# KiCad board dual-camera-to-gmsl-serializer-csi-adapter.kicad_pcb
title: Dual Camera to GMSL Serializer CSI Adapter; date: 2024-12-18; rev: 1.1.0; company: Antmicro Ltd; note: www.antmicro.com
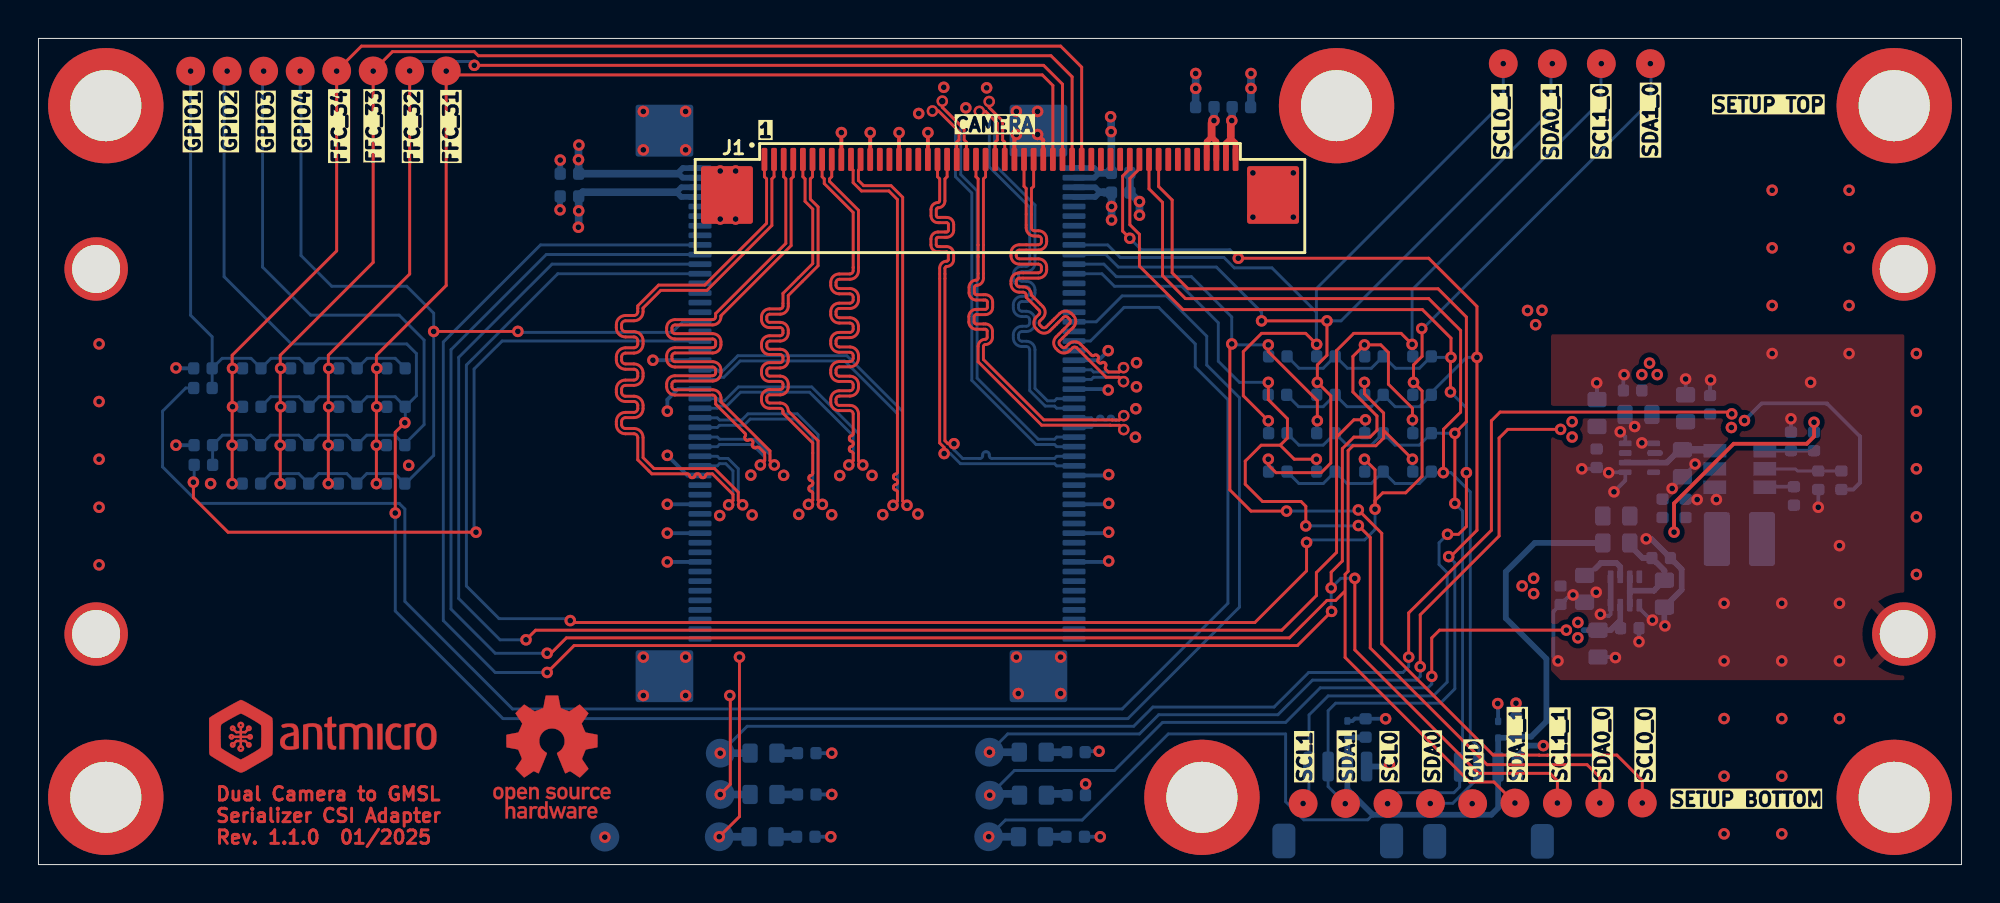
[diagram p0: board, top side]
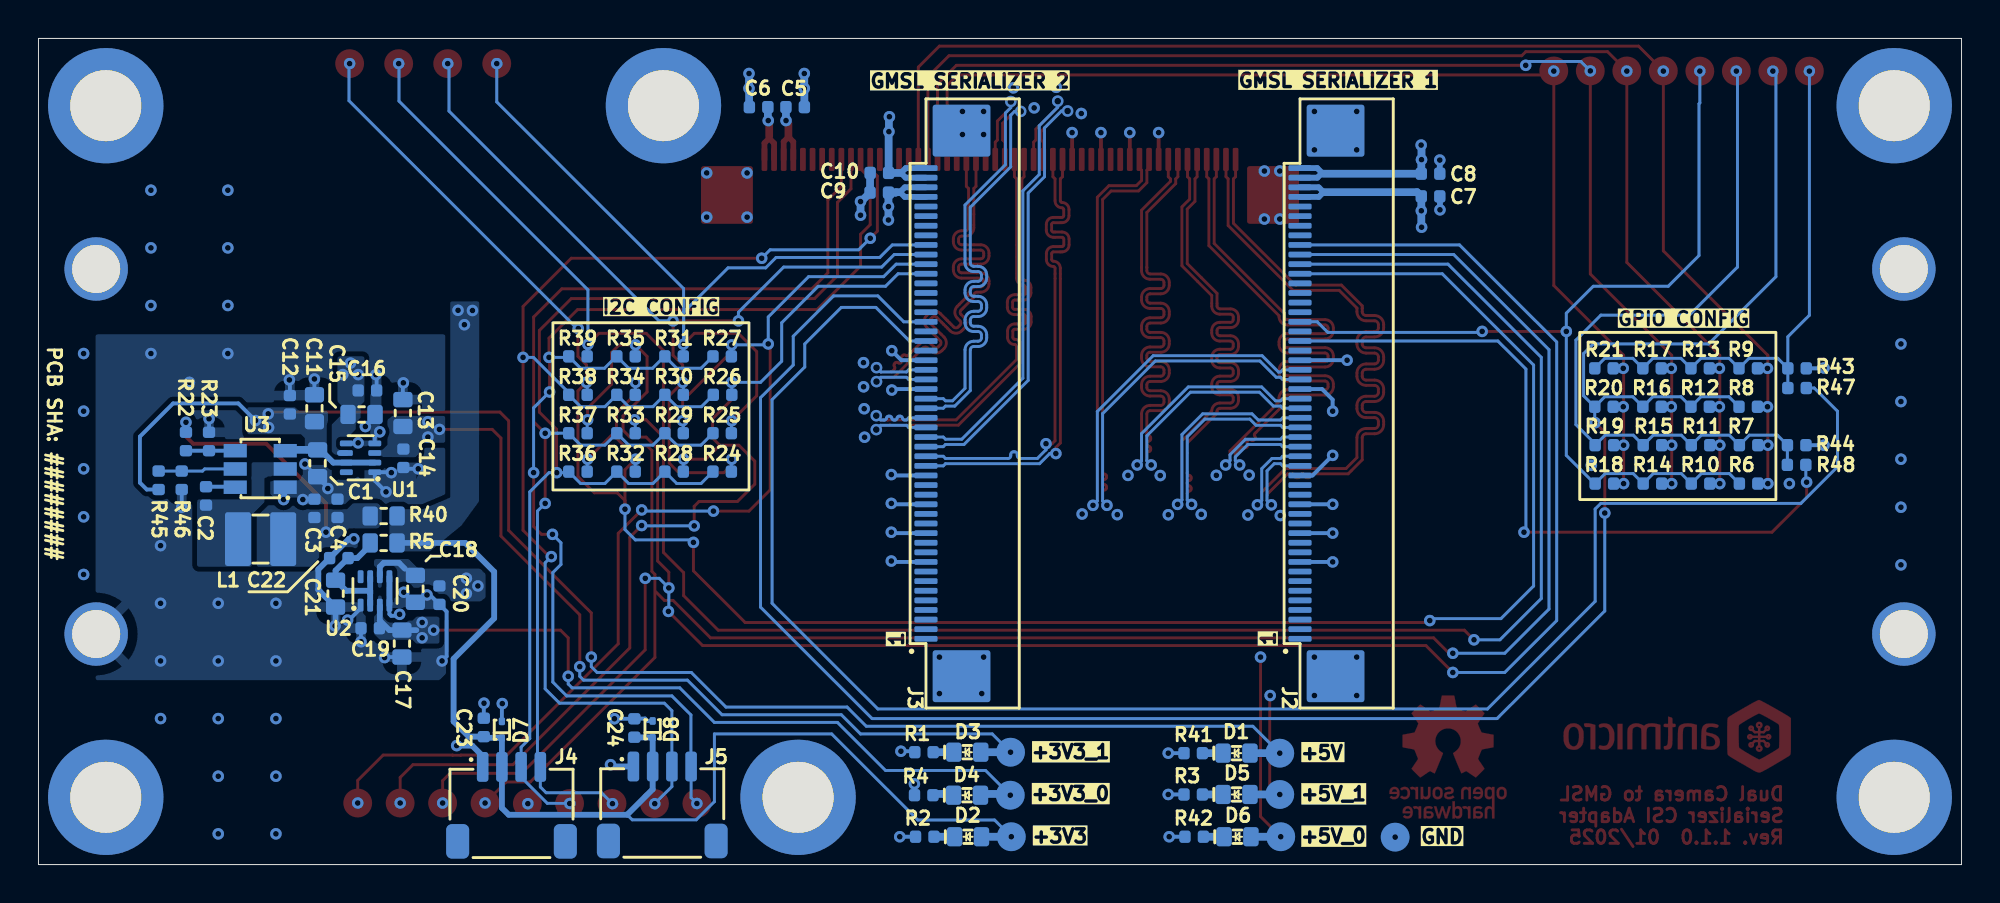
[diagram p1: board, bottom side, seen from below]

Outline 100 x 43 mm; copper layers: Top, In1.Cu, In2.Cu, Bottom. Coordinates in mm from the lower left corner of the outline.
Outline path: 0,43 0,0 100,0 100,43 0,43
Stack: Top 0.018mm / dielectric 0.12mm IS400 PR2116 er 4.06 / In1.Cu 0.035mm / dielectric 1.2mm FR4 er 4.35 / In2.Cu 0.035mm / dielectric 0.12mm IS400 PR2116 er 4.06 / Bottom 0.018mm

## Placement (name value [footprint] x y rotation side)
C1  C_10u_25V_0603  [C_0603_1608Metric]  85.48 20.89 90 bottom
C2  C_220n_0402  [C_0402_1005Metric]  91.29 19.19 270 bottom
C3  C_22u_0402  [C_0402_1005Metric]  85.65 18.54 270 bottom
C4  C_22u_0402  [C_0402_1005Metric]  84.45 18.54 270 bottom
C5  C_100n_0402  [C_0402_1005Metric]  60.65 39.42 0 bottom
C6  C_100n_0402  [C_0402_1005Metric]  62.55 39.42 180 bottom
C7  C_100n_0402  [C_0402_1005Metric]  27.61 34.78 0 bottom
C8  C_100n_0402  [C_0402_1005Metric]  27.61 35.96 0 bottom
C9  C_100n_0402  [C_0402_1005Metric]  56.28 34.97 180 bottom
C10  C_100n_0402  [C_0402_1005Metric]  56.27 36 180 bottom
C11  C_10u_25V_0603  [C_0603_1608Metric]  85.65 23.75 270 bottom
C12  C_100n_0402  [C_0402_1005Metric]  86.92 23.93 270 bottom
C13  C_10u_25V_0603  [C_0603_1608Metric]  81.05 23.5 270 bottom
C14  C_100n_0402  [C_0402_1005Metric]  81.02 21.15 90 bottom
C15  C_10u_25V_0603  [C_0603_1608Metric]  83.2 23.43 0 bottom
C16  C_100n_0402  [C_0402_1005Metric]  82.89 24.68 0 bottom
C17  C_10u_25V_0603  [C_0603_1608Metric]  81.1 11.5 90 bottom
C18  C_10u_25V_0603  [C_0603_1608Metric]  80.4 14.35 90 bottom
C19  C_100n_0402  [C_0402_1005Metric]  82.75 12.3 180 bottom
C20  C_100n_0402  [C_0402_1005Metric]  79.15 14.02 90 bottom
C21  C_10u_25V_0603  [C_0603_1608Metric]  84.55 14.1 90 bottom
C22  C_100n_0402  [C_0402_1005Metric]  84.38 15.95 180 bottom
C23  C_100n_0402  [C_0402_1005Metric]  76.84 7.14 270 bottom
C24  C_100n_0402  [C_0402_1005Metric]  69.01 7.11 270 bottom
D1  LED_G_0603_LTST-C190GKT  [LED_0603_1608Metric_G]  37.7 5.8 180 bottom
D2  LED_G_0603_LTST-C190GKT  [LED_0603_1608Metric_G]  51.66 1.45 180 bottom
D3  LED_G_0603_LTST-C190GKT  [LED_0603_1608Metric_G]  51.7 5.85 180 bottom
D4  LED_G_0603_LTST-C190GKT  [LED_0603_1608Metric_G]  51.71 3.61 180 bottom
D5  LED_G_0603_LTST-C190GKT  [LED_0603_1608Metric_G]  37.7 3.65 180 bottom
D6  LED_G_0603_LTST-C190GKT  [LED_0603_1608Metric_G]  37.65 1.45 180 bottom
D7  ESD9X5.0ST5G  [SOD-923]  75.9 7.02 90 bottom
D8  ESD9X5.0ST5G  [SOD-923]  68.06 7.04 90 bottom
H1  -  [Spacer_Drill3.7mm_H6mm_9774060151R]  96.5 39.5 0 bottom
H2  -  [Spacer_Drill3.7mm_H6mm_9774060151R]  96.5 3.5 0 bottom
H3  -  [Spacer_Drill3.7mm_H6mm_9774060151R]  67.5 39.5 0 bottom
H4  -  [Spacer_Drill3.7mm_H6mm_9774060151R]  60.5 3.5 0 bottom
H5  -  [Spacer_Drill3.7mm_H6mm_9774060151R]  3.5 39.5 180 bottom
H6  -  [Spacer_Drill3.7mm_H6mm_9774060151R]  3.5 3.5 180 bottom
J1  Conn_FFC_WE_68715014022  [Conn_FFC_WE_68715014x22]  50 34.55 0 top
J2  Conn_FFC_WE_68715014022  [Conn_FFC_WE_68715014x22]  32.25 24 90 bottom
J3  Conn_FFC_WE_68715014022  [Conn_FFC_WE_68715014x22]  51.7 24 90 bottom
J4  JST_SH_1x4_SM04B-SRSS-TB-LF-SN  [Conn_JST_SH_1x4_SM04B-SRSS-TB-LF-SN]  75.4 2.96 180 bottom
J5  JST_SH_1x4_SM04B-SRSS-TB-LF-SN  [Conn_JST_SH_1x4_SM04B-SRSS-TB-LF-SN]  67.56 2.98 180 bottom
L1  L_3u3_3.1A_Bourns-SRP3212A  [L_Bourns-SRP3212A]  88.45 16.94 180 bottom
MP1  -  [MP_Pad3.3mm_Drill2.5mm]  97 31 180 bottom
MP2  -  [MP_Pad3.3mm_Drill2.5mm]  97 12 180 bottom
MP3  -  [MP_Pad3.3mm_Drill2.5mm]  3 31 180 bottom
MP4  -  [MP_Pad3.3mm_Drill2.5mm]  3 12 180 bottom
N1  antmicro_logo  [antmicro-logo_scaled_12mm]  14.75 6.65 0 top
N2  oshw_logo  [oshw-logo]  26.7 5.6 0 top
R1  R_470R_0402  [R_0402_1005Metric]  53.95 5.85 180 bottom
R2  R_200R_0402  [R_0402_1005Metric]  53.91 1.45 180 bottom
R3  R_470R_0402  [R_0402_1005Metric]  39.95 3.65 180 bottom
R4  R_200R_0402  [R_0402_1005Metric]  53.96 3.61 180 bottom
R5  R_0R_22.4A_0603  [R_0603_1608Metric]  82.05 16.74 180 bottom  (not fitted)
R6  R_0R_0402  [R_0402_1005Metric]  11.07 19.83 180 bottom
R7  R_0R_0402  [R_0402_1005Metric]  11.07 21.83 180 bottom  (not fitted)
R8  R_0R_0402  [R_0402_1005Metric]  11.09 23.83 180 bottom  (not fitted)
R9  R_0R_0402  [R_0402_1005Metric]  11.09 25.83 180 bottom  (not fitted)
R10  R_0R_0402  [R_0402_1005Metric]  13.57 19.83 180 bottom  (not fitted)
R11  R_0R_0402  [R_0402_1005Metric]  13.57 21.83 180 bottom  (not fitted)
R12  R_0R_0402  [R_0402_1005Metric]  13.59 23.83 180 bottom  (not fitted)
R13  R_0R_0402  [R_0402_1005Metric]  13.59 25.83 180 bottom  (not fitted)
R14  R_0R_0402  [R_0402_1005Metric]  16.07 19.83 180 bottom  (not fitted)
R15  R_0R_0402  [R_0402_1005Metric]  16.07 21.83 180 bottom  (not fitted)
R16  R_0R_0402  [R_0402_1005Metric]  16.09 23.83 180 bottom
R17  R_0R_0402  [R_0402_1005Metric]  16.09 25.83 180 bottom  (not fitted)
R18  R_0R_0402  [R_0402_1005Metric]  18.57 19.83 180 bottom  (not fitted)
R19  R_0R_0402  [R_0402_1005Metric]  18.57 21.83 180 bottom  (not fitted)
R20  R_0R_0402  [R_0402_1005Metric]  18.59 23.83 180 bottom  (not fitted)
R21  R_0R_0402  [R_0402_1005Metric]  18.59 25.83 180 bottom  (not fitted)
R22  R_31k6_0402  [R_0402_1005Metric]  92.33 22.02 90 bottom
R23  R_10k_0402  [R_0402_1005Metric]  91.13 22.02 270 bottom
R24  R_0R_0402  [R_0402_1005Metric]  64.45 20.45 0 bottom  (not fitted)
R25  R_0R_0402  [R_0402_1005Metric]  64.45 22.45 0 bottom  (not fitted)
R26  R_0R_0402  [R_0402_1005Metric]  64.43 24.45 0 bottom  (not fitted)
R27  R_0R_0402  [R_0402_1005Metric]  64.45 26.45 0 bottom  (not fitted)
R28  R_0R_0402  [R_0402_1005Metric]  66.95 20.45 0 bottom
R29  R_0R_0402  [R_0402_1005Metric]  66.95 22.45 0 bottom
R30  R_0R_0402  [R_0402_1005Metric]  66.95 24.45 0 bottom  (not fitted)
R31  R_0R_0402  [R_0402_1005Metric]  66.95 26.45 0 bottom  (not fitted)
R32  R_0R_0402  [R_0402_1005Metric]  69.45 20.45 0 bottom  (not fitted)
R33  R_0R_0402  [R_0402_1005Metric]  69.45 22.45 0 bottom  (not fitted)
R34  R_0R_0402  [R_0402_1005Metric]  69.45 24.45 0 bottom  (not fitted)
R35  R_0R_0402  [R_0402_1005Metric]  69.45 26.45 0 bottom  (not fitted)
R36  R_0R_0402  [R_0402_1005Metric]  71.95 20.45 0 bottom  (not fitted)
R37  R_0R_0402  [R_0402_1005Metric]  71.95 22.45 0 bottom  (not fitted)
R38  R_0R_0402  [R_0402_1005Metric]  71.95 24.45 0 bottom
R39  R_0R_0402  [R_0402_1005Metric]  71.95 26.45 0 bottom
R40  R_0R_22.4A_0603  [R_0603_1608Metric]  82.05 18.14 180 bottom
R41  R_470R_0402  [R_0402_1005Metric]  39.95 5.8 180 bottom
R42  R_200R_0402  [R_0402_1005Metric]  39.9 1.45 180 bottom
R43  R_12k_0402  [R_0402_1005Metric]  8.55 25.83 0 bottom
R44  R_12k_0402  [R_0402_1005Metric]  8.57 21.83 0 bottom
R45  R_0R_0402  [R_0402_1005Metric]  93.75 20 270 bottom
R46  R_0R_0402  [R_0402_1005Metric]  92.55 20 270 bottom  (not fitted)
R47  R_10k_0402  [R_0402_1005Metric]  8.55 24.8 180 bottom
R48  R_10k_0402  [R_0402_1005Metric]  8.58 20.8 180 bottom
TP1  TP_1.5mm_SMD  [TP_SMD_1.5mm]  15.51 41.31 0 top
TP2  TP_1.5mm_SMD  [TP_SMD_1.5mm]  17.4 41.31 0 top
TP3  TP_1.5mm_SMD  [TP_SMD_1.5mm]  19.3 41.31 0 top
TP4  TP_1.5mm_SMD  [TP_SMD_1.5mm]  21.2 41.31 0 top
TP5  TP_1.5mm_SMD  [TP_SMD_1.5mm]  13.61 41.3 270 top
TP6  TP_1.5mm_SMD  [TP_SMD_1.5mm]  11.71 41.3 270 top
TP7  TP_1.5mm_SMD  [TP_SMD_1.5mm]  9.81 41.3 270 top
TP8  TP_1.5mm_SMD  [TP_SMD_1.5mm]  7.91 41.3 270 top
TP9  TP_1.5mm_SMD  [TP_SMD_1.5mm]  72.38 3.18 270 top
TP10  TP_1.5mm_SMD  [TP_SMD_1.5mm]  70.17 3.18 270 top
TP11  TP_1.5mm_SMD  [TP_SMD_1.5mm]  67.97 3.18 270 top
TP12  TP_1.5mm_SMD  [TP_SMD_1.5mm]  65.76 3.18 270 top
TP13  TP_1.5mm_SMD  [TP_SMD_1.5mm]  81.19 3.2 180 top
TP14  TP_1.5mm_SMD  [TP_SMD_1.5mm]  83.4 3.2 180 top
TP15  TP_1.5mm_SMD  [TP_SMD_1.5mm]  78.72 41.69 180 top
TP16  TP_1.5mm_SMD  [TP_SMD_1.5mm]  76.17 41.69 180 top
TP17  TP_1.5mm_SMD  [TP_SMD_1.5mm]  83.82 41.69 180 top
TP18  TP_1.5mm_SMD  [TP_SMD_1.5mm]  81.27 41.69 180 top
TP19  TP_1.5mm_SMD  [TP_SMD_1.5mm]  76.78 3.2 180 top
TP20  TP_1.5mm_SMD  [TP_SMD_1.5mm]  78.98 3.2 180 top
TP21  TP_1.5mm_SMD  [TP_SMD_1.5mm]  35.45 5.8 270 bottom
TP22  TP_1.5mm_SMD  [TP_SMD_1.5mm]  49.41 1.45 270 bottom
TP23  TP_1.5mm_SMD  [TP_SMD_1.5mm]  74.58 3.17 0 top
TP24  TP_1.5mm_SMD  [TP_SMD_1.5mm]  49.45 5.85 0 bottom
TP25  TP_1.5mm_SMD  [TP_SMD_1.5mm]  49.46 3.61 0 bottom
TP26  TP_1.5mm_SMD  [TP_SMD_1.5mm]  35.45 3.65 0 bottom
TP27  TP_1.5mm_SMD  [TP_SMD_1.5mm]  35.4 1.45 0 bottom
TP28  TP_1.5mm_SMD  [TP_SMD_1.5mm]  29.45 1.43 180 bottom
U1  TPS2117DRLR  [SOT-583]  83.25 21.17 0 bottom
U2  TPS2117DRLR  [SOT-583]  82.5 14.24 90 bottom
U3  AP62301_TSOT  [TSOT23-6]  88.47 20.59 0 bottom

## Library data of the parts
C1 C13 = -: Datasheet: https://product.tdk.com/en/search/capacitor/ceramic/mlcc/info?part_no=C1608X5R1E106M080AC; Description: SMD Multilayer Ceramic Capacitor, 10 µF, 25 V, 0603 [1608 Metric], ± 20%, X5R, C; MPN: C1608X5R1E106M080AC; Manufacturer: TDK; License: Apache-2.0; Author: Antmicro; Val: 10u; Voltage: 25V; Field12: Author: Antmicro; Field13: License: Apache-2.0
C2 = -: Datasheet: https://www.yageo.com/en/Chart/Download/pdf/CC0402KRX5R6BB224; Description: SMD Multilayer Ceramic Capacitor, 0.22 µF, 10 V, 0402 [1005 Metric], ± 10%, X5R, CC Series; MPN: CC0402KRX5R6BB224; Manufacturer: YAGEO; License: Apache-2.0; Author: Antmicro; Val: 220n; Field11: Author: Antmicro; Field12: License: Apache-2.0
C3 C4 = -: Datasheet: https://www.murata.com/products/productdetail?partno=GRM158R60J226ME01%23; Description: SMD Multilayer Ceramic Capacitor, 22 uF, 4 V, 0402 [1005 Metric], X6S; MPN: GRM158R60J226ME01D; Manufacturer: Murata; License: Apache-2.0; Author: Antmicro; Val: 22u; Field12: Author: Antmicro; Field13: License: Apache-2.0
C5 C12 = -: Datasheet: https://www.murata.com/products/productdetail?partno=GRM155R61H104KE14%23; Description: SMD Multilayer Ceramic Capacitor, 0.1 µF, 50 V, 0402 [1005 Metric], ± 10%, X5R, GRM Series; MPN: GRM155R61H104KE14D; Manufacturer: Murata; License: Apache-2.0; Author: Antmicro; Val: 100n; Voltage: 50V; Dielectric: X5R; Field12: License: Apache-2.0; Field13: Author: Antmicro
C6 C7 C20 C23 C24 = -: Datasheet: https://www.murata.com/products/productdetail?partno=GRM155R61H104KE14%23; Description: SMD Multilayer Ceramic Capacitor, 0.1 µF, 50 V, 0402 [1005 Metric], ± 10%, X5R, GRM Series; MPN: GRM155R61H104KE14D; Manufacturer: Murata; License: Apache-2.0; Author: Antmicro; Val: 100n; Voltage: 50V; Dielectric: X5R; Field11: Author: Antmicro; Field13: License: Apache-2.0
C8 C9 C16 = -: Datasheet: https://www.murata.com/products/productdetail?partno=GRM155R61H104KE14%23; Description: SMD Multilayer Ceramic Capacitor, 0.1 µF, 50 V, 0402 [1005 Metric], ± 10%, X5R, GRM Series; MPN: GRM155R61H104KE14D; Manufacturer: Murata; License: Apache-2.0; Author: Antmicro; Val: 100n; Voltage: 50V; Dielectric: X5R; Field11: License: Apache-2.0; Field13: Author: Antmicro
C10 = -: Datasheet: https://www.murata.com/products/productdetail?partno=GRM155R61H104KE14%23; Description: SMD Multilayer Ceramic Capacitor, 0.1 µF, 50 V, 0402 [1005 Metric], ± 10%, X5R, GRM Series; MPN: GRM155R61H104KE14D; Manufacturer: Murata; License: Apache-2.0; Author: Antmicro; Val: 100n; Voltage: 50V; Dielectric: X5R; Field11: License: Apache-2.0; Field12: Author: Antmicro
C11 = -: Datasheet: https://product.tdk.com/en/search/capacitor/ceramic/mlcc/info?part_no=C1608X5R1E106M080AC; Description: SMD Multilayer Ceramic Capacitor, 10 µF, 25 V, 0603 [1608 Metric], ± 20%, X5R, C; MPN: C1608X5R1E106M080AC; Manufacturer: TDK; License: Apache-2.0; Author: Antmicro; Val: 10u; Voltage: 25V; Field11: License: Apache-2.0; Field13: Author: Antmicro
C14 C22 = -: Datasheet: https://www.murata.com/products/productdetail?partno=GRM155R61H104KE14%23; Description: SMD Multilayer Ceramic Capacitor, 0.1 µF, 50 V, 0402 [1005 Metric], ± 10%, X5R, GRM Series; MPN: GRM155R61H104KE14D; Manufacturer: Murata; License: Apache-2.0; Author: Antmicro; Val: 100n; Voltage: 50V; Dielectric: X5R; Field11: Author: Antmicro; Field12: License: Apache-2.0
C15 C17 = -: Datasheet: https://product.tdk.com/en/search/capacitor/ceramic/mlcc/info?part_no=C1608X5R1E106M080AC; Description: SMD Multilayer Ceramic Capacitor, 10 µF, 25 V, 0603 [1608 Metric], ± 20%, X5R, C; MPN: C1608X5R1E106M080AC; Manufacturer: TDK; License: Apache-2.0; Author: Antmicro; Val: 10u; Voltage: 25V; Field12: License: Apache-2.0; Field13: Author: Antmicro
C18 = -: Datasheet: https://product.tdk.com/en/search/capacitor/ceramic/mlcc/info?part_no=C1608X5R1E106M080AC; Description: SMD Multilayer Ceramic Capacitor, 10 µF, 25 V, 0603 [1608 Metric], ± 20%, X5R, C; MPN: C1608X5R1E106M080AC; Manufacturer: TDK; License: Apache-2.0; Author: Antmicro; Val: 10u; Voltage: 25V; Field11: License: Apache-2.0; Field12: Author: Antmicro
C19 = -: Datasheet: https://www.murata.com/products/productdetail?partno=GRM155R61H104KE14%23; Description: SMD Multilayer Ceramic Capacitor, 0.1 µF, 50 V, 0402 [1005 Metric], ± 10%, X5R, GRM Series; MPN: GRM155R61H104KE14D; Manufacturer: Murata; License: Apache-2.0; Author: Antmicro; Val: 100n; Voltage: 50V; Dielectric: X5R; Field12: Author: Antmicro; Field13: License: Apache-2.0
C21 = -: Datasheet: https://product.tdk.com/en/search/capacitor/ceramic/mlcc/info?part_no=C1608X5R1E106M080AC; Description: SMD Multilayer Ceramic Capacitor, 10 µF, 25 V, 0603 [1608 Metric], ± 20%, X5R, C; MPN: C1608X5R1E106M080AC; Manufacturer: TDK; License: Apache-2.0; Author: Antmicro; Val: 10u; Voltage: 25V; Field11: Author: Antmicro; Field12: License: Apache-2.0
D1 D2 D4 D6 = -: Datasheet: https://media.digikey.com/pdf/Data%20Sheets/Lite-On%20PDFs/LTST-C190GKT.pdf; Description: LED, Green, SMD, 0603, 20 mA, 2.1 V, 569 nm; MPN: LTST-C190GKT; Manufacturer: Lite-On; Author: Antmicro; License: Apache-2.0; VSD_class: LED; Color: Green; Field10: License: Apache-2.0; Field11: Author: Antmicro
D3 D5 = -: Datasheet: https://media.digikey.com/pdf/Data%20Sheets/Lite-On%20PDFs/LTST-C190GKT.pdf; Description: LED, Green, SMD, 0603, 20 mA, 2.1 V, 569 nm; MPN: LTST-C190GKT; Manufacturer: Lite-On; Author: Antmicro; License: Apache-2.0; VSD_class: LED; Color: Green; Field10: License: Apache-2.0; Field12: Author: Antmicro
D7 = -: Datasheet: https://www.onsemi.com/pdf/datasheet/esd9x3.3st5g-d.pdf; Description: Unidirectional TVS, 30 kV,  SOD-923, 5 V, 65 pF; Manufacturer: ON Semiconductor; Author: Antmicro; License: Apache-2.0; Field8: Author: Antmicro; Field9: License: Apache-2.0
D8 = -: Datasheet: https://www.onsemi.com/pdf/datasheet/esd9x3.3st5g-d.pdf; Description: Unidirectional TVS, 30 kV,  SOD-923, 5 V, 65 pF; Manufacturer: ON Semiconductor; Author: Antmicro; License: Apache-2.0; Field8: Author: Antmicro; Field10: License: Apache-2.0
H1 H3 = -: Datasheet: https://www.we-online.com/components/products/datasheet/9774060151R.pdf; Description: Spacer, SMT, Non Stop, Steel, Swage Round, 5.1 mm x 6 mm, M2.5 Thread, WA-SMSI Series; Manufacturer: Würth Elektronik; MPN: 9774060151R; Author: Antmicro; License: Apache-2.0; Field9: Author: Antmicro; Field10: License: Apache-2.0
H2 = -: Datasheet: https://www.we-online.com/components/products/datasheet/9774060151R.pdf; Description: Spacer, SMT, Non Stop, Steel, Swage Round, 5.1 mm x 6 mm, M2.5 Thread, WA-SMSI Series; Manufacturer: Würth Elektronik; MPN: 9774060151R; Author: Antmicro; License: Apache-2.0; Field8: Author: Antmicro; Field10: License: Apache-2.0
H4 = -: Datasheet: https://www.we-online.com/components/products/datasheet/9774060151R.pdf; Description: Spacer, SMT, Non Stop, Steel, Swage Round, 5.1 mm x 6 mm, M2.5 Thread, WA-SMSI Series; Manufacturer: Würth Elektronik; MPN: 9774060151R; Author: Antmicro; License: Apache-2.0; Field8: License: Apache-2.0; Field10: Author: Antmicro
H5 = -: Datasheet: https://www.we-online.com/components/products/datasheet/9774060151R.pdf; Description: Spacer, SMT, Non Stop, Steel, Swage Round, 5.1 mm x 6 mm, M2.5 Thread, WA-SMSI Series; Manufacturer: Würth Elektronik; MPN: 9774060151R; Author: Antmicro; License: Apache-2.0; Field8: Author: Antmicro; Field9: License: Apache-2.0
H6 = -: Datasheet: https://www.we-online.com/components/products/datasheet/9774060151R.pdf; Description: Spacer, SMT, Non Stop, Steel, Swage Round, 5.1 mm x 6 mm, M2.5 Thread, WA-SMSI Series; Manufacturer: Würth Elektronik; MPN: 9774060151R; Author: Antmicro; License: Apache-2.0; Field8: License: Apache-2.0; Field9: Author: Antmicro
J1 = -: Datasheet: https://www.we-online.com/components/products/datasheet/68715014022.pdf; Description: FFC connector; MPN: 68715014022; Manufacturer: Würth Elektronik; Author: Antmicro; License: Apache-2.0; Field9: License: Apache-2.0; Field10: Author: Antmicro
J2 = -: Datasheet: https://www.we-online.com/components/products/datasheet/68715014022.pdf; Description: FFC connector; MPN: 68715014022; Manufacturer: Würth Elektronik; Author: Antmicro; License: Apache-2.0; Field8: License: Apache-2.0; Field9: Author: Antmicro
J3 = -: Datasheet: https://www.we-online.com/components/products/datasheet/68715014022.pdf; Description: FFC connector; MPN: 68715014022; Manufacturer: Würth Elektronik; Author: Antmicro; License: Apache-2.0; Field8: Author: Antmicro; Field9: License: Apache-2.0
J4 = -: Datasheet: https://www.jst-mfg.com/product/pdf/eng/eSH.pdf; Description: Pin Header, Right Angle, Wire-to-Board, 1 mm, 1 Rows, 4 Contacts, Surface Mount Right Angle, SH; MPN: SM04B-SRSS-TB(LF)(SN); Manufacturer: JST Automotive Connectors; Author: Antmicro; License: Apache-2.0; Field8: License: Apache-2.0; Field10: Author: Antmicro
J5 = -: Datasheet: https://www.jst-mfg.com/product/pdf/eng/eSH.pdf; Description: Pin Header, Right Angle, Wire-to-Board, 1 mm, 1 Rows, 4 Contacts, Surface Mount Right Angle, SH; MPN: SM04B-SRSS-TB(LF)(SN); Manufacturer: JST Automotive Connectors; Author: Antmicro; License: Apache-2.0; Field8: License: Apache-2.0; Field9: Author: Antmicro
L1 = -: Datasheet: https://www.mouser.com/datasheet/2/54/SRP3212A-3011944.pdf; Description: Power Inductor (SMD), 3.3 µH, 3.1 A, Shielded, 3.4 A, SRP3212 Series; Val: 3u3/3.1A; Manufacturer: Bourns; MPN: SRP3212-3R3M; ISat: 3.4 A; IMax: 3.1 A; Size: 3.2x2.5; Author: Antmicro; License: Apache-2.0; Field12: Author: Antmicro; Field13: License: Apache-2.0
MP1 = -: Description: PCB mounting point template; License: Apache-2.0; Author: Antmicro; Field6: Author: Antmicro; Field8: License: Apache-2.0
MP2 = -: Description: PCB mounting point template; License: Apache-2.0; Author: Antmicro; Field7: Author: Antmicro; Field8: License: Apache-2.0
MP3 = -: Description: PCB mounting point template; License: Apache-2.0; Author: Antmicro; Field6: License: Apache-2.0; Field7: Author: Antmicro
MP4 = -: Description: PCB mounting point template; License: Apache-2.0; Author: Antmicro; Field6: Author: Antmicro; Field7: License: Apache-2.0
N1 = -: Description: Mechanical part; Author: Antmicro; License: Apache-2.0; Field8: Author: Antmicro; Field9: License: Apache-2.0
N2 = -: Description: Mechanical part; Author: Antmicro; License: Apache-2.0; Field8: Author: Antmicro; Field10: License: Apache-2.0
R1 = -: Datasheet: https://www.bourns.com/docs/product-datasheets/cr.pdf; Description: SMD Chip Resistor, 470 ohm, ± 1%, 62.5 mW, 0402 [1005 Metric], Thick Film, General Purpose; MPN: CR0402-FX-4700GLF; Manufacturer: Bourns; License: Apache-2.0; Author: Antmicro; Val: 470R; Tolerance: 1%; Field10: License: Apache-2.0; Field11: Author: Antmicro
R2 R4 = -: Datasheet: https://www.bourns.com/docs/product-datasheets/cr.pdf; Description: SMD Chip Resistor, 200 ohm, ± 1%, 62.5 mW, 0402 [1005 Metric], Thick Film, General Purpose; MPN: CR0402-FX-2000GLF; Manufacturer: Bourns; License: Apache-2.0; Author: Antmicro; Val: 200R; Tolerance: 1%; Field11: License: Apache-2.0; Field12: Author: Antmicro
R3 R41 = -: Datasheet: https://www.bourns.com/docs/product-datasheets/cr.pdf; Description: SMD Chip Resistor, 470 ohm, ± 1%, 62.5 mW, 0402 [1005 Metric], Thick Film, General Purpose; MPN: CR0402-FX-4700GLF; Manufacturer: Bourns; License: Apache-2.0; Author: Antmicro; Val: 470R; Tolerance: 1%; Field11: License: Apache-2.0; Field12: Author: Antmicro
R5 = -: Datasheet: https://fscdn.rohm.com/en/products/databook/datasheet/passive/resistor/chip_resistor/pmr-jpw-e.pdf; Description: SMD Chip Resistor; MPN: PMR03EZPJ000; Manufacturer: ROHM Semiconductor; Val: 0R; Max. Curr.: 22.4A; Author: Antmicro; License: Apache-2.0; Tolerance: template_tolerance; Field12: Author: Antmicro; Field13: License: Apache-2.0
R6 = -: Datasheet: https://industrial.panasonic.com/cdbs/www-data/pdf/RDA0000/AOA0000C301.pdf; Description: SMD Chip Resistor, Jumper, 0 ohm, 100 mW, 0402 [1005 Metric], Thick Film, General Purpose; MPN: ERJ2GE0R00X; Manufacturer: Panasonic; License: Apache-2.0; Author: Antmicro; Val: 0R; Current: 1A; Field13: Author: Antmicro; Field14: License: Apache-2.0
R7 R11-R13 R27 R30 = -: Datasheet: https://industrial.panasonic.com/cdbs/www-data/pdf/RDA0000/AOA0000C301.pdf; Description: SMD Chip Resistor, Jumper, 0 ohm, 100 mW, 0402 [1005 Metric], Thick Film, General Purpose; MPN: ERJ2GE0R00X; Manufacturer: Panasonic; License: Apache-2.0; Author: Antmicro; Val: 0R; Current: 1A; Field11: License: Apache-2.0; Field13: Author: Antmicro
R8 R33 R34 R36 R37 = -: Datasheet: https://industrial.panasonic.com/cdbs/www-data/pdf/RDA0000/AOA0000C301.pdf; Description: SMD Chip Resistor, Jumper, 0 ohm, 100 mW, 0402 [1005 Metric], Thick Film, General Purpose; MPN: ERJ2GE0R00X; Manufacturer: Panasonic; License: Apache-2.0; Author: Antmicro; Val: 0R; Current: 1A; Field11: Author: Antmicro; Field13: License: Apache-2.0
R9 R10 R25 R35 = -: Datasheet: https://industrial.panasonic.com/cdbs/www-data/pdf/RDA0000/AOA0000C301.pdf; Description: SMD Chip Resistor, Jumper, 0 ohm, 100 mW, 0402 [1005 Metric], Thick Film, General Purpose; MPN: ERJ2GE0R00X; Manufacturer: Panasonic; License: Apache-2.0; Author: Antmicro; Val: 0R; Current: 1A; Field11: Author: Antmicro; Field12: License: Apache-2.0